# Altium PCB PMR_for_R124_test.PcbDoc (part 1 of 2) (continued)
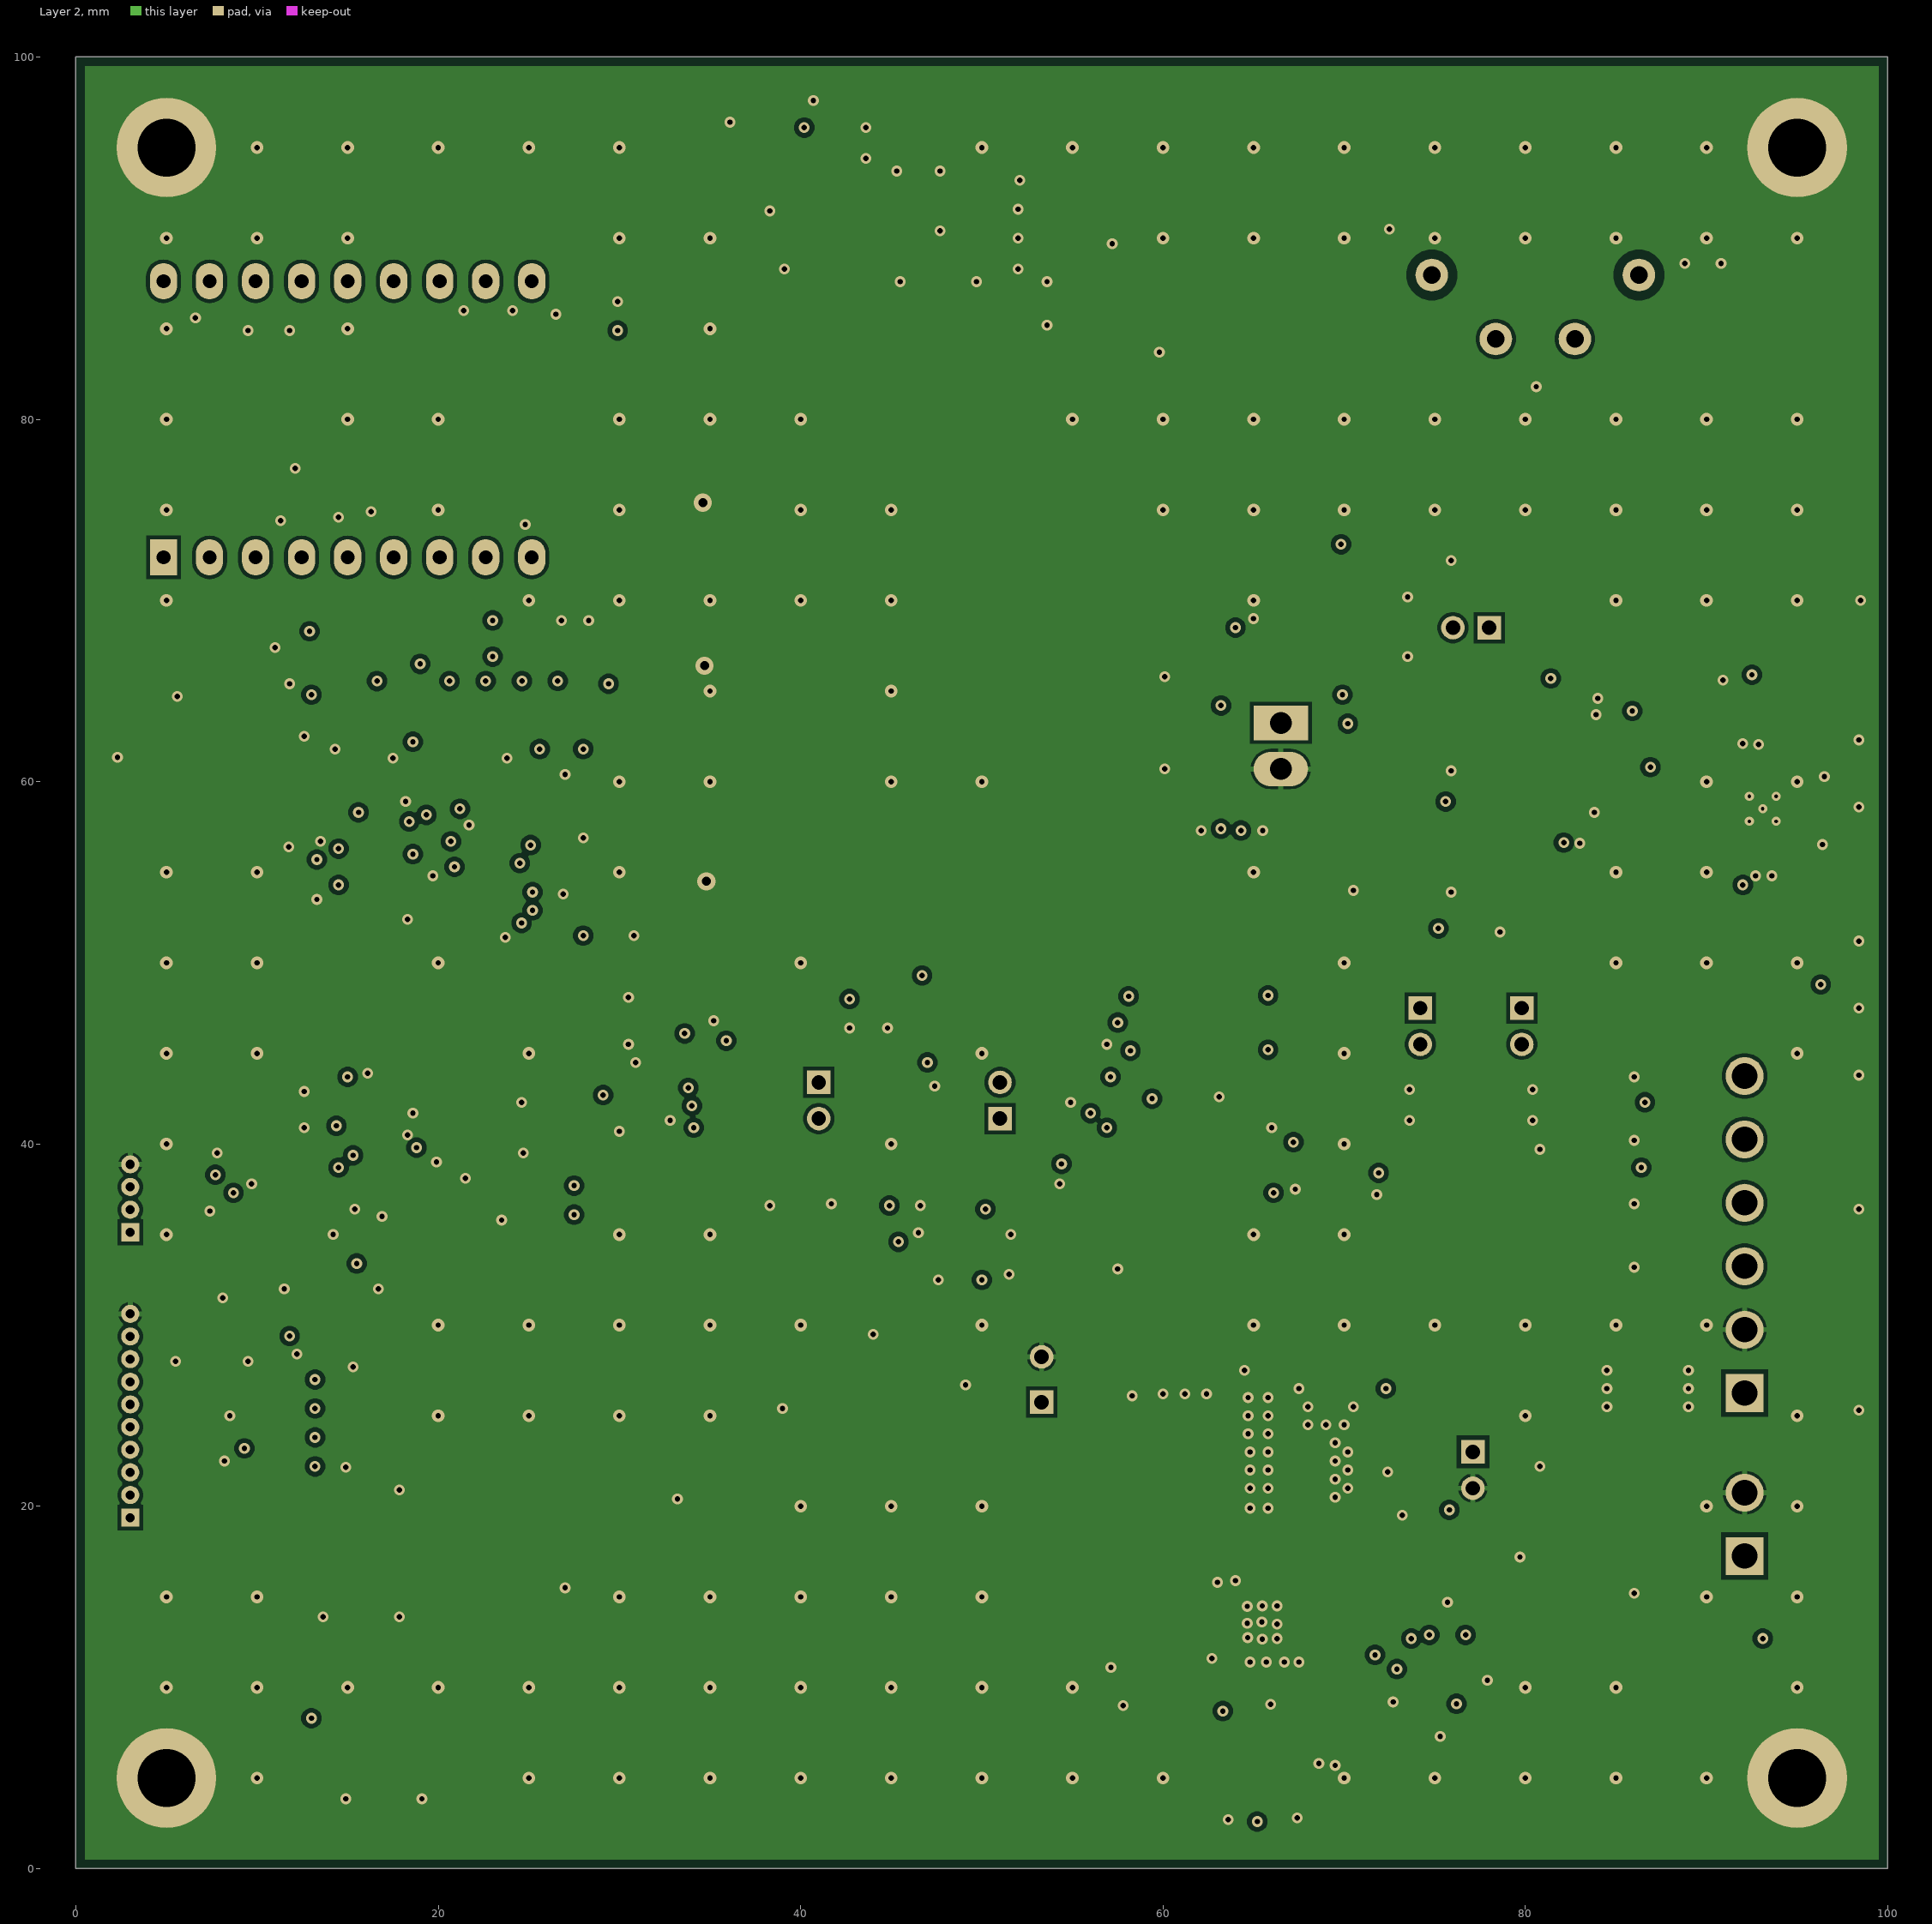
[diagram p3: Layer 2]
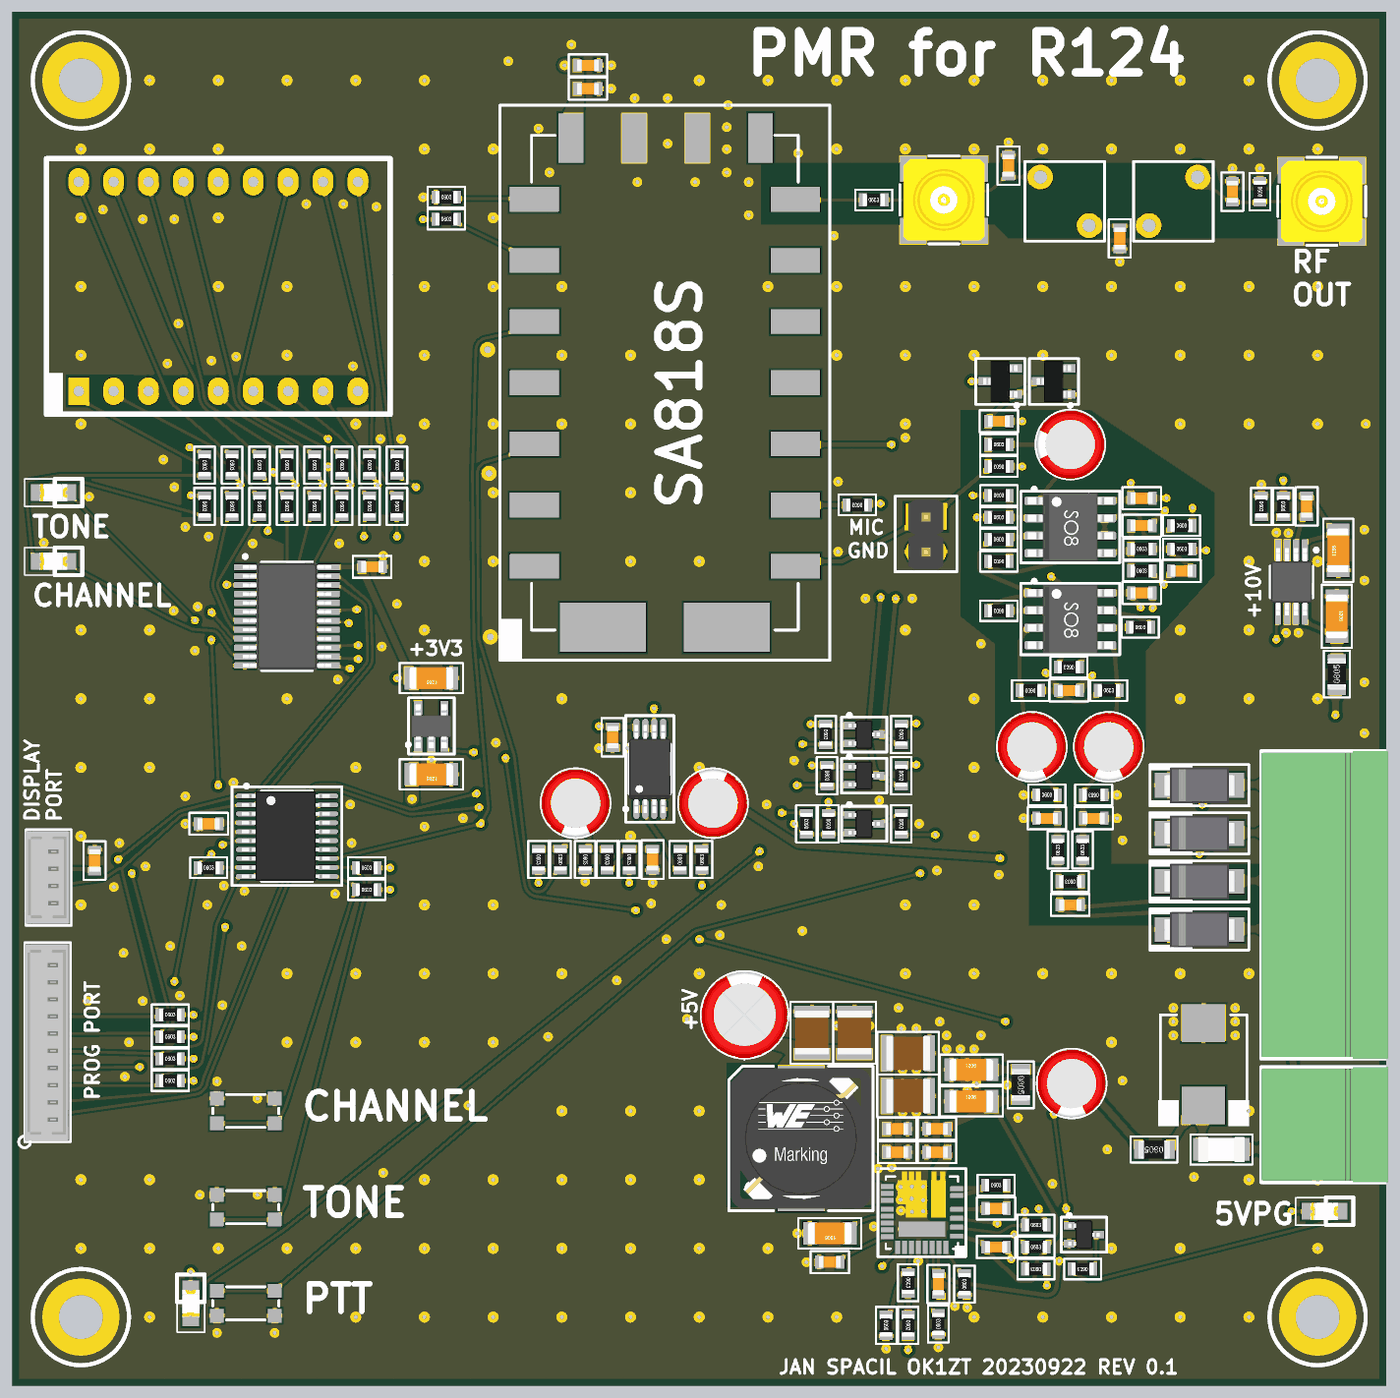
[diagram p5: 3D render of the assembled board from above, using the file's embedded part models]

## Layer stack, top to bottom
Top Solder: solder mask 0.0102, Solder Resist, Dk 3.5
Top Layer: signal copper 0.0356
Dielectric 2: prepreg 0.1211, PP-006, Dk 4.1
Layer 1: signal copper 0.035
Dielectric 1: dielectric 1, FR-4, Dk 4.8
Layer 2: signal copper 0.035
Dielectric 3: prepreg 0.1211, PP-006, Dk 4.1
Bottom Layer: signal copper 0.0356
Bottom Solder: solder mask 0.0102, Solder Resist, Dk 3.5

## Board outline
0,0 100,0 100,100 0,100

## Design rules (kind name [scope] priority, off if disabled: settings)
Clearance Clearance_1 [InNetClass('50 ohm') vs InNet('GND')] p1: gap=0.5 ignorepadtopadclearanceinfootprint=FALSE except(0: Arc-Hole Track-Hole SMDPad-Hole THPad-Hole Via-Hole Fill-Hole Poly-Hole Region-Hole Text-Hole; 0.152: Arc-Text Track-Text SMDPad-Text THPad-Text Via-Text Fill-Text Poly-Text Region-Text Text-Text)
Clearance HV [InNetClass('HV')] p2: gap=0.25 ignorepadtopadclearanceinfootprint=FALSE except(0: Arc-Hole Track-Hole SMDPad-Hole THPad-Hole Via-Hole Fill-Hole Poly-Hole Region-Hole Text-Hole; 0.152: Arc-Text Track-Text SMDPad-Text THPad-Text Via-Text Fill-Text Poly-Text Region-Text Text-Text; 0.2: SMDPad-SMDPad)
Clearance [All] p3: gap=0.15 ignorepadtopadclearanceinfootprint=FALSE except(0: Arc-Hole Track-Hole SMDPad-Hole THPad-Hole Via-Hole Fill-Hole Poly-Hole Region-Hole Text-Hole; 0.127: Fill-Fill Fill-Poly Fill-Region Poly-Poly Poly-Region Region-Region; 0.13: SMDPad-SMDPad; 0.152: Arc-Text Track-Text SMDPad-Text THPad-Text Via-Text Fill-Text Poly-Text Region-Text Text-Text; 0.2: Arc-SMDPad Arc-THPad Track-SMDPad Track-THPad SMDPad-THPad SMDPad-Via THPad-THPad THPad-Fill THPad-Poly THPad-Region; 0.254: Arc-Via Track-Via Via-Via Via-Fill Via-Poly Via-Region; 0.5: THPad-Via)
ComponentClearance [All] p1: gap=0.15 collisioncheckmode=3 verticalgap=0.254 showdistances=FALSE
HoleSize [All] p1: absolutevalues=TRUE maxlimit=6.3 minlimit=0.2 maxpercent=80.000 minpercent=20.000
HoleToHoleClearance [All] p1: gap=0.5 allowstackedmicrovias=TRUE
MinimumAnnularRing [All] p1: minimumring=0.13
MinimumSolderMaskSliver [All] p1: minsoldermaskwidth=0.2
PlaneConnect [All] p1: planeconnectstyle=Direct reliefexpansion=0.508 reliefentries=4 reliefconductorwidth=0.254 reliefairgap=0.254
PolygonConnect "Free pads to GND" [(ObjectKind = 'Pad') And (Component = 'Free') vs InNet('GND')] p1: connectstyle=Direct reliefconductorwidth=0.254 reliefentries=4 polygonreliefangle="90 Angle" airgapwidth=0.254
PolygonConnect "Footprint connection" [All vs HasFootprint('MCX_SMD_vertical') or HasFootprint('POWERPAK_MLP55-27L_VIS') or HasFootprint('DGN0008B_M') OR HasFootprint('SA818S')] p2: connectstyle=Direct reliefconductorwidth=0.254 reliefentries=4 polygonreliefangle="90 Angle" airgapwidth=0.254
PolygonConnect "Via connection" [All vs IsVia or IsShieldingVia or IsStitchingVia] p3: connectstyle=Direct reliefconductorwidth=0.254 reliefentries=4 polygonreliefangle="90 Angle" airgapwidth=0.254
PolygonConnect [All] p4: connectstyle=Relief reliefconductorwidth=0.3 reliefentries=4 polygonreliefangle="90 Angle" airgapwidth=0.15
RoutingCorners [All] p1: cornerstyle=45-Degree minsetback=1 maxsetback=2.54
RoutingVias [All] p1: holewidth=0.3 width=0.6 viastyle="Through Hole" minholewidth=0.2 minwidth=0.4 maxholewidth=6 maxwidth=7
SilkToSilkClearance [All] p1: silktosilkclearance=0
SilkToSolderMaskClearance [IsPad] p1: minsilkscreentomaskgap=0.15 clearancetoexposedcopper=TRUE
SolderMaskExpansion SolderMaskExpansion_1 [IsVia] p1: expansion=-0.1 istentingtop=FALSE
SolderMaskExpansion [All] p2: expansion=0.05 istentingtop=FALSE
UnRoutedNet [All] p1: checkbadconnections=TRUE
Width 50_vedeni [InNetClass('50 ohm')] p1: maxlimit=0.213 minlimit=0.142 preferedwidth=0.213 toplayer_minwidth=0.213 midlayer1_maxwidth=0.142 midlayer1_prefwidth=0.142 midlayer2_maxwidth=0.142 midlayer2_prefwidth=0.142 bottomlayer_minwidth=0.213 impedanceprofiledriven=TRUE impedanceprofileid={4C3425F4-23F6-4BBC-B1EC-A0A6B9C57399} impedanceprofilevalue=50.000000 minimp=50.000000 maximp=50.000000 favimp=50.000000
Width [All] p2: maxlimit=3 minlimit=0.089 preferedwidth=0.2
21 further rules are at their usual default settings.

## Classes and differential pairs
net class "50 ohm": ANT FILT1 "RF SIGNAL OUT"
net class HV: +26V +POWER_RAIL "PWR RAIL FILTERED" Sic_power
component class U_SA818S: C18 C19 D3 Q1 Q2 Q3 R28 R29 R30 R31 R32 R33 R34 R35 R36 R37 SW1 U4
component class U_R124_signal_conditioning: C1 C2 C3 C4 C5 C6 C8 C9 C10 C11 C12 C13 C14 C15 C16 C17 D1 D2 J7 R1 R2 R3 R4 R5 R6 R7 R8 R9 R10 R11 R12 R13 R14 R15 R16 R17 R18 R19 R20 R21 R22 R23 R24 R25 R26 R27 U1 U2 U3
component class U_Power: C20 C21 C22 C23 C24 C25 C26 C27 C28 C29 C30 C31 C32 C33 C34 C35 C36 C37 C38 C39 C40 C41 D5 FR1 FR2 L1 Q4 R38 R39 R40 R41 R42 R43 R44 R45 R46 R47 R48 R49 U5 U6 U7
component class U_MCU: C7 C45 C46 D7 D8 D9 J3 J4 R51 R52 R53 R54 R55 R56 R57 R58 R59 R60 R61 R62 R63 R64 R65 R66 R67 R68 R69 R70 R71 R72 R73 SW2 SW3 U8 U9
component class U_Interfaces: D10 D11 D12 D13 D14 F1 FR3 J5 J6
component class RF_SIDE: C42 C43 C44 D6 J1 J2 L2 L3 R50

## Components (designator, comment, footprint, x,y, rotation, side; value= is the part's Value field where it differs from the comment)
C1 "10uF, ALU 63V" WCAP-ATLI_5x11x2 74.2,46.5 r90 top
C2 "10n, 50V, C0G" SMD0603 75.3,41.3 r0 top
C3 "10uF, ALU 63V" WCAP-ATLI_5x11x2 77,68.5 r0 top
C4 "10n, 50V, C0G" SMD0603 77,35 r180 top
C5 "1u, 25V, X7R" SMD0603 76.9,50.6 r0 top
C6 "10n, 50V, C0G" SMD0603 71.8,70.2 r180 top
C7 "1u, 25V, X7R" SMD0603 26.2,59.6 r0 top
C8 "10n, 50V, C0G" SMD0603 78.7,41.3 r0 top
C9 "10uF, ALU 63V" WCAP-ATLI_5x11x2 79.8,46.5 r90 top
C10 "1u, 25V, X7R" SMD0603 82.2,57.7 r180 top
C11 "1u, 25V, X7R" SMD0603 82.2,64.6 r180 top
C12 "1u, 25V, X7R" SMD0603 85.1,59.3 r0 top
C13 "1u, 25V, X7R" SMD0603 82.2,62.6 r180 top
C14 "1u, 25V, X7R" SMD0603 46.6,38.3 r90 top
C15 "10uF, ALU 63V" WCAP-ATLI_5x11x2 51,42.4 r270 top
C16 "10uF, ALU 63V" WCAP-ATLI_5x11x2 41,42.4 r90 top
C17 "1u, 25V, X7R" SMD0603 43.7,47.2 r90 top
C18 "1u, 25V, X7R" SMD0603 41.9,96.1 r180 top
C19 "1u, 25V, X7R" SMD0603 41.9,94.4 r180 top
C20 "10uF, ALU 63V" WCAP-ATLI_5x11x2 77.1,22 r90 top
C21 "1u, 50V, X7R" SMD0603 64.4,18.7 r180 top
C22 "1u, 50V, X7R" SMD0603 64.4,17 r180 top
C23 "47u, 10V, X7R" SMD1210 65.2,21.1 r180 top value=47uF
C24 "47u, 10V, X7R" SMD1210 65.2,24.2 r180 top value=47uF
C25 "47u, 10V, X7R" SMD1210 61.3,25.7 r270 top value=47uF
C26 "47u, 10V, X7R" SMD1210 58.2,25.7 r270 top value=47uF
C27 "10u, 50V, X5R" SMD1206 69.8,23 r0 top
C28 "10u, 50V, X5R" SMD1206 69.8,20.7 r0 top
C29 "1u, 50V, X7R" SMD0603 67.3,17 r0 top
C30 "1u, 50V, X7R" SMD0603 67.3,18.7 r0 top
C31 "100u, alu, 25V" WCAP-ATLI_6.3x11x2.5 53.3,27 r270 top
C32 "1u, 50V, X7R" SMD0603 67.4,7.4 r90 top
C33 "1u, 50V, X7R" SMD0603 71.6,10.1 r180 top
C34 "10u, 50V, X5R" SMD1206 59.5,11.1 r180 top
C35 "100n, 25V, X7R" SMD0603 71.6,12.9 r0 top
C36 "33n, 50V, X7R" SMD0603 59.5,9 r0 top
C37 "10u, 50V, X5R" SMD1206 96.4,56 r270 top
C38 "10u, 50V, X5R" SMD1206 96.5,60.8 r90 top
C39 "10u, 50V, X5R" SMD1206 30.5,44.5 r180 top
C40 "10u, 50V, X5R" SMD1206 30.5,51.5 r180 top
C41 "10n, 50V, C0G" SMD0603 94.2,64 r90 top
C42 "6p8, 50V, C0G" SMD0603 72.5,88.8 r270 top
C43 "12p 100V C0G 1%" SMD0603 80.6,83.5 r90 top
C44 "6p8, 50V, C0G" SMD0603 88.8,86.9 r270 top
C45 "1u, 25V, X7R" SMD0603 14.3,40.9 r180 top
C46 "1u, 25V, X7R" SMD0603 6,38.225 r90 top
D1 "BAS16" "SOT23 (TO-236AB)" 71.9,73.1 r180 top
D2 "BAS16" "SOT23 (TO-236AB)" 75.8,73.1 r180 top
D3 "RED" MCL-S270 13,6 r90 top
D5 "GREEN" MCL-S270 95.5,12.7 r0 top
D6 "CG0603MLC-24LEA" "SMD0603 - R" 90.8,86.9 r270 top
D7 "HDSP-521E" HDSP-521E 15,80 r0 top
D8 "GREEN" MCL-S270 3,60 r0 top
D9 "GREEN" MCL-S270 3,65 r0 top
D10 "SMDJ48A" DO-214AB 86.7,23.4 r90 top
D11 "SMA6J5.0CA" DO-214AC 86.4,33.2 r0 top
D12 "SMA6J5.0CA" DO-214AC 86.4,36.7 r0 top
D13 "SMA6J5.0CA" DO-214AC 86.4,40.2 r0 top
D14 "SMA6J5.0CA" DO-214AC 86.4,43.7 r0 top
F1 "0458002.DR" "SMD1206 - FUSE" 88,17.2 r180 top
FR1 "120 ohm" "SMD0805 - R" 73.4,21.9 r270 top
FR2 "120 ohm" "SMD0805 - R" 96.4,51.8 r90 top
FR3 "120 ohm" "SMD0805 - R" 83.1,17.2 r180 top
J1 "MCX 73415-1691" MCX_SMD_vertical 95.3,86.2 r0 top
J2 "MCX 73415-1691" MCX_SMD_vertical 67.8,86.3 r0 top
J3 "53047-1010" 530471010 3,25 r90 top
J4 "53047-0410" 530470410 3,37 r90 top
J5 "691322110006" 691322110006 95.5,35 r90 top locked
J6 "691322110002" 691322110002 95.5,19 r90 top locked
J7 "61300211121" "Header 2 2.54mm" 66.5,63.24 r0 top
L1 "7447798620" WE-PDF_1064 57.4,18 r0 top
L2 "24n" Uni5 76.6,86.2 r0 top value=55nH
L3 "24n" Uni5 84.5,86.2 r90 top value=55nH
Q1 "NX3008NBKW" SOT323 62,40.9 r0 top
Q2 "NX3008NBKW" SOT323 62,47.4 r0 top
Q3 "NX3008NBKW" SOT323 62,44.4 r0 top
Q4 "NX3008NBKW" SOT323 78,11 r0 top
R1 "47R, 1%" "SMD0603 - R" 76.1,39 r90 top
R2 "10k, 1%" "SMD0603 - R" 75.3,43 r0 top
R3 "10k, 1%" "SMD0603 - R" 74.1,50.6 r180 top
R4 "47k, 0.1%" "SMD0603 - R" 71.8,60 r180 top
R5 "47k, 0.1%" "SMD0603 - R" 71.8,56.4 r180 top
R6 "47k, 0.1%" "SMD0603 - R" 71.8,61.6 r0 top
R7 "1k, 1%" "SMD0603 - R" 71.8,68.5 r0 top
R8 "4k7, 0.1%" "SMD0603 - R" 76.9,52.3 r180 top
R9 "1k, 1%" "SMD0603 - R" 77,36.7 r180 top
R10 "47k, 0.1%" "SMD0603 - R" 71.8,63.2 r0 top
R11 "10k, 1%" "SMD0603 - R" 71.8,66.9 r180 top
R12 "47k, 0.1%" "SMD0603 - R" 71.8,64.8 r0 top
R13 "47k, 0.1%" "SMD0603 - R" 82.1,55.2 r0 top
R14 "10k, 1%" "SMD0603 - R" 78.7,43 r180 top
R15 "10k, 1%" "SMD0603 - R" 79.8,50.6 r0 top
R16 "47R, 1%" "SMD0603 - R" 77.9,39 r90 top
R17 "5k1, 1%" "SMD0603 - R" 85.1,60.9 r0 top
R18 "5k1, 1%" "SMD0603 - R" 82.2,60.9 r0 top
R19 "47R, 1%" "SMD0603 - R" 85.1,62.6 r0 top
R20 "10k, 1%" "SMD0603 - R" 82.2,59.3 r0 top
R21 "5k1, 1%" "SMD0603 - R" 44.9,38.3 r270 top
R22 "5k1, 1%" "SMD0603 - R" 43.3,38.3 r270 top
R23 "47R, 1%" "SMD0603 - R" 50.2,38.3 r90 top
R24 "47R, 1%" "SMD0603 - R" 39.9,38.3 r90 top
R25 "10k, 1%" "SMD0603 - R" 38.3,38.3 r270 top
R26 "10k, 1%" "SMD0603 - R" 41.7,38.3 r270 top
R27 "47R, 1%" "SMD0603 - R" 48.6,38.3 r90 top
R28 "0R" "SMD0603 - R" 31.6,84.9 r0 top
R29 "0R" "SMD0603 - R" 31.6,86.5 r0 top
R30 "47R, 1%" "SMD0603 - R" 61.5,64.1 r180 top
R31 "10k, 1%" "SMD0603 - R" 59.2,47.4 r270 top
R32 "10k, 1%" "SMD0603 - R" 59.3,44.4 r270 top
R33 "10k, 1%" "SMD0603 - R" 64.7,47.4 r270 top
R34 "10k, 1%" "SMD0603 - R" 64.7,44.4 r270 top
R35 "10k, 1%" "SMD0603 - R" 59.4,40.9 r270 top
R36 "1k, 1%" "SMD0603 - R" 57.8,40.9 r90 top
R37 "47R, 1%" "SMD0603 - R" 64.7,40.9 r270 top
R38 "51k, 1%" "SMD0603 - R" 74.5,10.1 r0 top
R39 "51k, 1%" "SMD0603 - R" 65.2,7.5 r270 top
R40 "1k3, 1%" "SMD0603 - R" 65.2,4.4 r270 top
R41 "10k, 1%" "SMD0603 - R" 74.5,8.5 r180 top
R42 "10k, 1%" "SMD0603 - R" 63.6,4.4 r90 top
R43 "100k, 1%" "SMD0603 - R" 74.5,11.7 r0 top
R44 "1R, 1%" "SMD0603 - R" 71.6,14.6 r0 top
R45 "1k3, 1%" "SMD0603 - R" 69.3,7.4 r90 top
R46 "470R, 1%" "SMD0603 - R" 77.9,8.5 r180 top
R47 "39k, 1%" "SMD0603 - R" 67.4,4.5 r90 top
R48 "75k, 1%" "SMD0603 - R" 92.5,64 r90 top
R49 "10k, 1%" "SMD0603 - R" 90.9,64 r270 top
R50 "0R" "SMD0603 - R" 62.7,86.3 r0 top
R51 "1k, 1%" "SMD0603 - R" 20,67 r270 top
R52 "1k, 1%" "SMD0603 - R" 22,67 r270 top
R53 "1k, 1%" "SMD0603 - R" 20,64 r270 top
R54 "1k, 1%" "SMD0603 - R" 18,64 r270 top
R55 "1k, 1%" "SMD0603 - R" 16,64 r270 top
R56 "47R, 1%" "SMD0603 - R" 14.3,37.7 r0 top
R57 "1k, 1%" "SMD0603 - R" 16,67 r270 top
R58 "1k, 1%" "SMD0603 - R" 18,67 r270 top
R59 "1k, 1%" "SMD0603 - R" 26,67 r270 top
R60 "1k, 1%" "SMD0603 - R" 28,67 r270 top
R61 "1k, 1%" "SMD0603 - R" 28,64 r270 top
R62 "1k, 1%" "SMD0603 - R" 24,64 r270 top
R63 "1k, 1%" "SMD0603 - R" 22,64 r270 top
R64 "1k, 1%" "SMD0603 - R" 24,67 r270 top
R65 "1k, 1%" "SMD0603 - R" 26,64 r270 top
R66 "1k, 1%" "SMD0603 - R" 14,67 r270 top
R67 "1k, 1%" "SMD0603 - R" 14,64 r270 top
R68 "100k, 1%" "SMD0603 - R" 11.5,23.8 r0 top
R69 "100k, 1%" "SMD0603 - R" 11.5,22.2 r0 top
R70 "100k, 1%" "SMD0603 - R" 25.8,36.1 r0 top
R71 "100k, 1%" "SMD0603 - R" 25.8,37.7 r0 top
R72 "5k1, 1%" "SMD0603 - R" 11.5,25.4 r0 top
R73 "5k1, 1%" "SMD0603 - R" 11.5,27 r0 top
SW1 "KMR241G" KMR2 17,6 r0 top
SW2 "KMR241G" KMR2 17,20 r0 top
SW3 "KMR241G" KMR2 17,13 r0 top
U1 "NE5532DR" SOIC08 77,55.8 r0 top
U2 "NE5532DR" SOIC08 77,62.5 r0 top
U3 "AD8532ARUZ" TSSOP08 46.4,44.9 r90 top
U4 "SA818S-U" SA818S 47.5,73 r90 top
U5 "SIC479ED-T1-GE3" POWERPAK_MLP55-27L_VIS 66.2,12.6 r180 top
U6 "TPS7A4101DGNR" DGN0008B_M 93.1,58.5 r270 top
U7 "LDK320M33R" SOT23-5 30.5,48 r90 top
U8 "TCA9539PWR" PW0024A_M 20,56 r0 top
U9 "STM32G030F6P6TR" TSSOP20 20,40 r0 top

## Footprints (in the part's own frame and the unit in brackets; to place one, negate y for a bottom-side part, rotate by r counter-clockwise, add the part's x,y. Pads: shape width x height; smd on the part's side, far side on the other; paste and mask are expansions set on the pad)
530470410 [mm]
  rect 1x1 hole 0.5: 1(-1.875,0)
  round 1 hole 0.5: 2(-0.625,0) 3(0.625,0) 4(1.875,0)
  silkscreen extent -3.5,-1.3 3.47,2, body extent -3.37,-1.15 3.38,2.05, height 4.23
530471010 [mm]
  rect 1x1 hole 0.5: 1(-5.625,0)
  round 1 hole 0.5: 2(-4.375,0) 3(-3.125,0) 4(-1.875,0) 5(-0.625,0) 6(0.625,0) 7(1.875,0) 8(3.125,0) 9(4.375,0) 10(5.625,0)
  silkscreen extent -7.67,-1.25 7.25,2.52, body extent -7.13,-1.1 7.12,2.1, height 4.23
691322110002 [mm] "Horizontal PCB Header, pitch 3.5mm, 02p"
  rect 2.1x2.1 hole 1.4: 1(-1.75,3.4)
  round 2.1 hole 1.4: 2(1.75,3.4)
  silkscreen extent -4.2,-4.6 4.2,4.6, body extent -4.2,-4.6 4.2,4.6, height 7.3
691322110006 [mm] "Horizontal PCB Header, pitch 3.5mm, 06p"
  rect 2.1x2.1 hole 1.4: 1(-8.75,3.4)
  round 2.1 hole 1.4: 2(-5.25,3.4) 3(-1.75,3.4) 4(1.75,3.4) 5(5.25,3.4) 6(8.75,3.4)
  silkscreen extent -11.2,-4.6 11.2,4.6, body extent -11.2,-4.6 11.2,4.6, height 7.3
DGN0008B_M [mm] "TSOP, 8-Leads, Body 3.1x3.1mm, Pitch 0.65mm, Thermal Pad 1.9x1.88mm, IPC Low Density"
  rrect22% 1.55x0.45 smd: 1(-2.325,0.975) 2(-2.325,0.325) 3(-2.325,-0.325) 4(-2.325,-0.975) 5(2.325,-0.975) 6(2.325,-0.325) 7(2.325,0.325) 8(2.325,0.975)
  rrect5% 1.88x1.98 smd: 9(0,0)
  silkscreen extent -2.45,-1.55 1.15,1.92, body extent -2.45,-1.5 2.45,1.5, height 0.94
DO-214AB [mm] "Molded Diode, 2-Leads, Body 6.86x5.91mm, IPC Medium Density"
  rect 2.75x3.15 smd: 1(-3,0) 2(3,0)
  silkscreen extent -4.5,-3.3 3.6,3.3, body extent -3.55,-3.11 3.56,3.11, height 2.6
DO-214AC [mm]
  rect 2.1x1.8 smd: 1(-2.2,0) 2(2.2,0)
  silkscreen extent -3.6,-1.5 3.6,1.5, body extent -2.6,-1.3 2.6,1.3, height 2.4
HDSP-521E [mm]
  rect 1.5x2 hole 0.762 mask+0.05: 1(-10.16,-7.62)
  oval 1.5x2 hole 0.762 mask+0.05: 2(-7.62,-7.62) 3(-5.08,-7.62) 4(-2.54,-7.62) 5(0,-7.62) 6(2.54,-7.62) 7(5.08,-7.62) 8(7.62,-7.62) 9(10.16,-7.62) 10(10.16,7.62) 11(7.62,7.62) 12(5.08,7.62) 13(2.54,7.62) 14(0,7.62) 15(-2.54,7.62) 16(-5.08,7.62) 17(-7.62,7.62) 18(-10.16,7.62)
  silkscreen extent -12.5,-9.3 12.5,9.3
"Header 2 2.54mm" [mm]
  rect 3x1.9 hole 1.2: 1(0,0)
  oval 3x1.9 hole 1.2: 2(0,-2.54)
  silkscreen extent -2.25,-4 2.25,1.5, body extent -1.27,-3.84 1.27,1.24, height 8.67
KMR2 [mm]
  rect 1x1 smd: 1(-2.1,-0.9) 1(2.1,-0.9) 2(-2.1,0.9) 2(2.1,0.9)
  silkscreen extent -2.4,-1.2 2.4,1.2
MCL-S270 [mm]
  rect 1.2x1.2 smd: 1(-1.05,0) 2(1.05,0)
  silkscreen extent -2.1,-1 2.1,1, body extent -1,-0.62 1,0.62, height 0.81
MCX_SMD_vertical [mm]
  round 1.6 smd: 1(0,0)
  rect 1.9x1.9 smd: 2(-2.25,-2.25) 2(-2.25,2.25) 2(2.25,-2.25) 2(2.25,2.25)
  silkscreen extent -3.2,-3.2 3.2,3.2, body extent -2.95,-2.95 2.95,2.95, height 5.9
POWERPAK_MLP55-27L_VIS [mil]
  rect 37x14 smd paste+0 mask+0: 1(-99.4,66.95) 2(-99.4,41.35) 3(-99.4,15.75) 4(-99.4,-9.85) 5(-99.4,-49.25) 6(-99.4,-68.95) 12(99.4,-74.85) 13(99.4,-55.15) 14(99.4,-35.45) 15(99.4,-9.85) 16(99.4,9.85) 17(99.4,29.55) 18(99.4,49.25) 19(99.4,68.95)
  rect 5x5 smd paste-2.5 mask-2.5: 7(-59.9,-99.4) 8(-34.3,-99.4) 9(10.2,-99.4) 10(29.9,-99.4) 11(49.6,-99.4) 29(-47.2,-39.4) 30(27.6,-58.5)
  rect 14x37 smd paste+0 mask+0: 20(68.95,99.4) 21(49.25,99.4) 22(29.55,99.4) 23(9.85,99.4) 24(-9.85,99.4) 25(-29.55,99.4) 26(-49.25,99.4) 27(-68.95,99.4)
  rect 134x43 smd paste+0 mask+0: 28(0,47.2)
  Top Layer region: -25.7,13.6 -68.7,13.6 -68.7,-92.4 -66.9,-92.4 -66.9,-117.9 -52.9,-117.9 -52.9,-92.4 -41.3,-92.4 -41.3,-117.9 -27.3,-117.9 -27.3,-92.4 -25.7,-92.4
  Top Layer region: -13.9,13.5 -13.9,-92.5 3.2,-92.5 3.2,-117.9 17.2,-117.9 17.2,-92.5 22.9,-92.5 22.9,-117.9 36.9,-117.9 36.9,-92.5 42.6,-92.5 42.6,-117.9 56.6,-117.9 56.6,-92.5 69.1,-92.5 69.1,-24.5 46.1,-24.5 46.1,13.5
  silkscreen extent -126,-126 126,126, body extent -99,-99 99,99, height 79
PW0024A_M [mm] "SOP, 24-Leads, Body 7.9x4.5mm, Pitch 0.65mm, IPC Low Density"
  rrect22% 1.6x0.45 smd: 1(-3.05,3.575) 2(-3.05,2.925) 3(-3.05,2.275) 4(-3.05,1.625) 5(-3.05,0.975) 6(-3.05,0.325) 7(-3.05,-0.325) 8(-3.05,-0.975) 9(-3.05,-1.625) 10(-3.05,-2.275) 11(-3.05,-2.925) 12(-3.05,-3.575) 13(3.05,-3.575) 14(3.05,-2.925) 15(3.05,-2.275) 16(3.05,-1.625) 17(3.05,-0.975) 18(3.05,-0.325) 19(3.05,0.325) 20(3.05,0.975) 21(3.05,1.625) 22(3.05,2.275) 23(3.05,2.925) 24(3.05,3.575)